# Altium PCB PiMX8MPIODB_r0.1.PcbDoc (part 2 of 3) (continued)
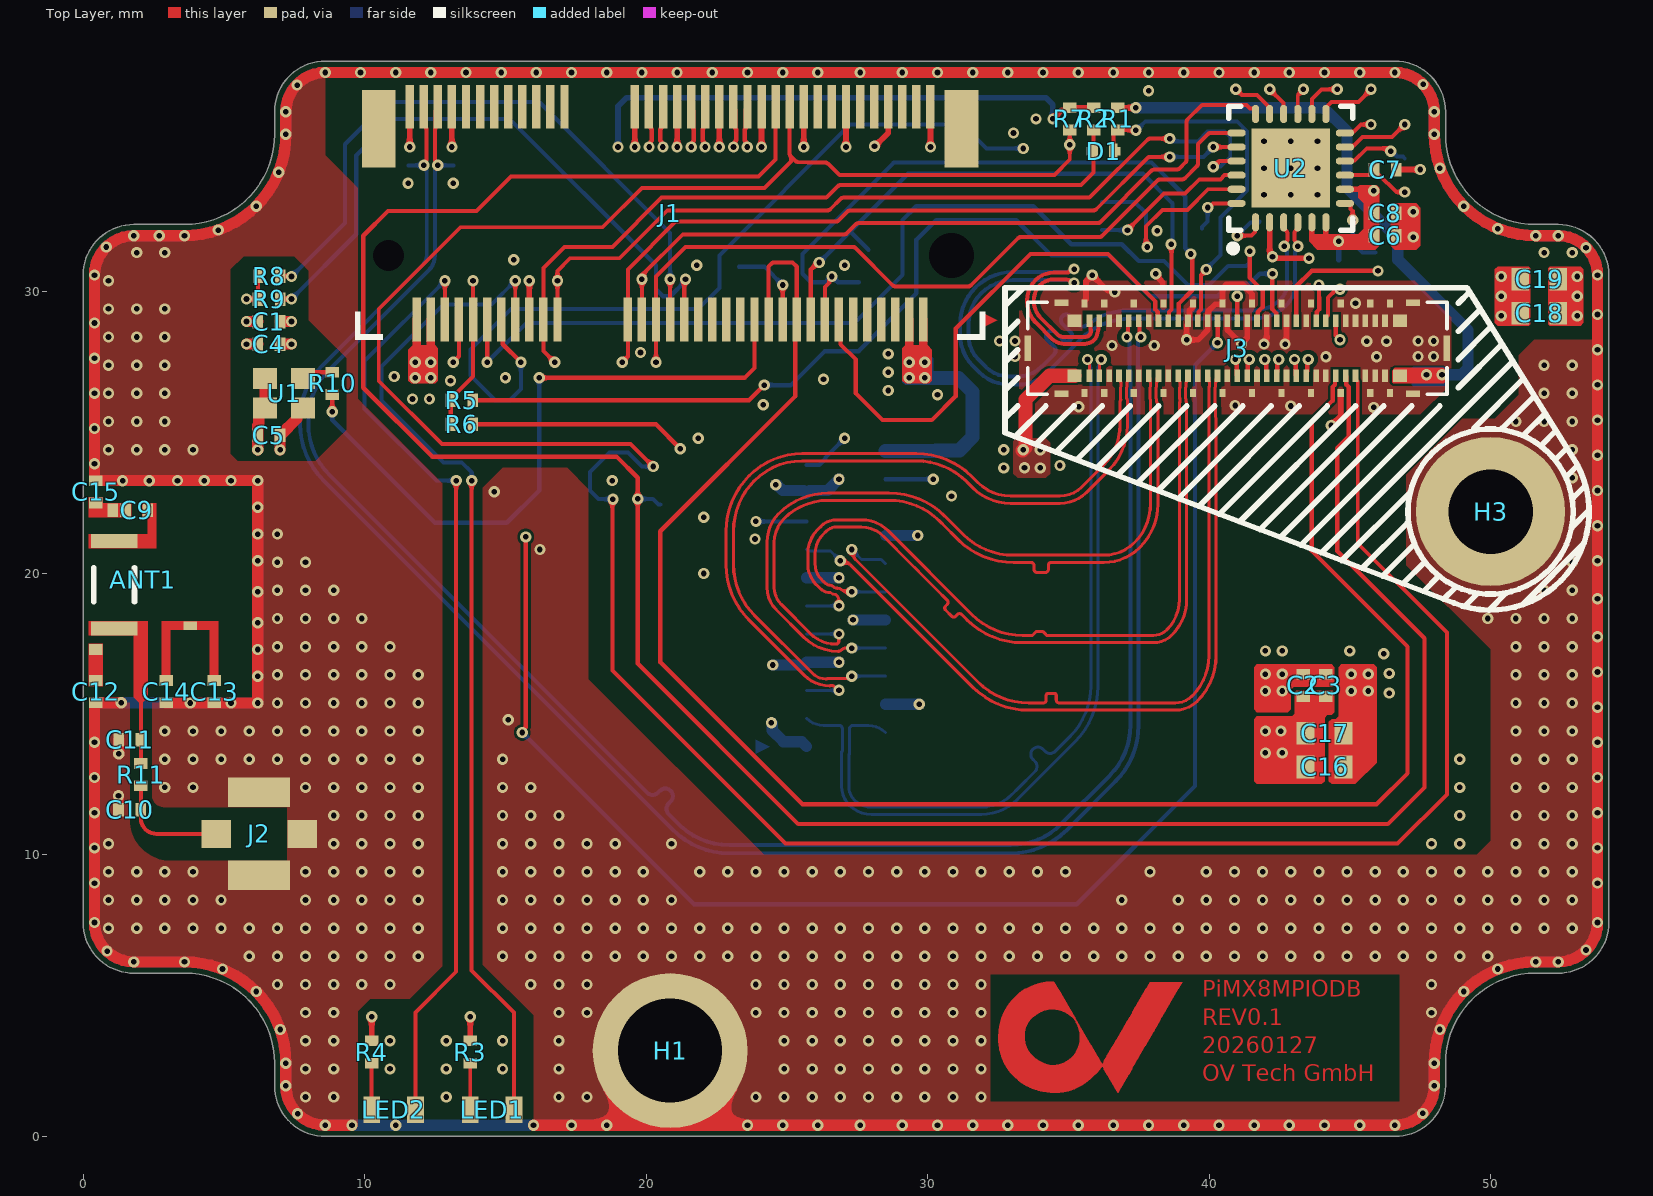
[diagram p0: Top Layer view]
## Nets (pads, with @x,y where several pads share a name; then routed paths per layer and width w, separated by ;. In a path a pad name is that pad's centre, name@x,y a point inside that pad or via, vN(x,y) a via of type N, cw(c..) or ccw(c..) an arc to the next point about the centre after c; other vN are vias at no path point) (continued)
PCM_MCLK: J1.8 J3.27 TP1.TP | length 60.9
  Top Layer w0.156: v2(13.15,27.5) 13.15,27.513 13.35,27.713 J1.8@13.35,29.025 ; v2(15.6,14.35) 15.6,14.416 15.725,14.541 v2(15.725,21.3) ; v2(40.3,28.2) J3.27@40.3,28.975
  L3 SIG w0.142: v2(13.15,27.5) 15.7,24.95 15.7,21.35 v2@15.75,21.3
  Bottom Layer w0.156: v2(15.6,14.35) 21.7,8.25 35.3,8.25 39.5,12.45 39.5,27.4 v2(40.3,28.2)
PCM_RX_IN: J1.14 J3.31 TP4.TP | length 43.6
  Top Layer w0.156: J1.14@14.85,29.025 14.909,28.966 14.909,28.141 v2(15.55,27.5) ; J3.31@41,28.975 v2(41,29.85)
  L3 SIG w0.142: v2(33.4,35.1) 33.4,30.7 34.75,29.35 40.5,29.35 v2(41,29.85)
  Bottom Layer w0.142: v2(15.55,27.5) 15.55,26.55 15.15,26.15 14.65,26.15 13.759,27.041 13.759,27.959 15.2,29.4 21.85,29.4 22.6,30.15 22.6,31.3 27.25,35.95 31.25,35.95 32.1,35.1 v2(33.4,35.1)
PCM_RX_SYNC: J3.43 R6.1 | length 52.2
  Top Layer w0.156: R6.1@13.845,25.3 20.35,25.3 v2(21.215,24.435) ; J3.43@43.1,28.975 43.1,30.2 43.65,30.75 v2(46,30.75)
  L3 SIG w0.142: v2@21.229,24.471 23,22.7 23,21.15 24.074,20.076 25.026,20.076 25.072,20.122 26.75,21.8 27.45,21.8 28.45,20.8 28.45,20.05 30.65,17.85 39.25,17.85 46.4,25 46.4,26 47.029,26.629 47.029,28.424 47.05,28.445 47.05,29.7 v2(46,30.75)
PCM_TX_OUT: J1.12 J3.35 TP3.TP | length 36.7
  Top Layer w0.156: v2(14.35,27.5) J1.12@14.35,29.025 ; v2(41.45,31.45) 41.45,30.5 41.9,30.05 41.9,29.463 41.722,29.285 41.722,28.997 J3.35@41.7,28.975
  Bottom Layer w0.156: v2(14.35,27.5) 15.75,28.9 23.7,28.9 27.4,28.9 29.108,30.608 29.108,32.558 29.6,33.05 33.75,33.05 35.1,31.7 36.9,31.7 37.499,31.101 38.399,31.101 39.25,30.25 40,30.25 40.673,30.923 41.323,30.923 41.45,31.05 v2(41.45,31.45)
PCM_TX_SYNC: J3.39 R5.1 | length 35.4
  Top Layer w0.156: R5.1@13.845,26.15 23.654,26.15 v2(24.197,26.693) ; v2(42.25,30.65) 42.25,29.383 42.378,29.254 42.378,28.997 J3.39@42.4,28.975
  Bottom Layer w0.156: v2(24.197,26.693) 25.143,26.693 26.35,27.9 27.55,27.9 29.6,29.95 29.6,31.85 30.3,32.55 33.15,32.55 34.4,31.3 36.45,31.3 37.9,29.85 40.3,29.85 40.75,30.3 41.45,30.3 41.8,30.65 v2(42.25,30.65)
UART_nWAKE: D1.2 J3.23 R1.1 | length 13.2
  Top Layer w0.14: D1.2@36.6,35 36.6,35.635 36.715,35.75 v2(37.4,35.75) ; J3.23@39.6,28.975 39.621,28.996 39.621,29.296 39.705,29.38 39.705,30.588 39.9,30.783 v2(39.9,30.8)
  Bottom Layer w0.14: v2(37.4,35.75) 37.432,35.75 37.732,36.05 41,36.05 41.35,35.7 41.35,33.6 40.4,32.65 40.4,31.314 39.9,30.814 v2(39.9,30.8)
USB_FPC1_N: J1.5 J3.9 TP5.TP | length 67
  Top Layer w0.141: v2@12.545,34.38 ccw(c12.426,34.5) v2(12.595,34.5) ccw(c12.426,34.5) v2@12.545,34.62 ; v2@12.545,34.62 cw(c12.665,34.74) 12.495,34.74 12.495,35.77 cw(c12.538,35.77) 12.508,35.8 ccw(c12.478,35.831) 12.52,35.831 12.52,36.383 cw(c12.792,36.383) J1.5@12.6,36.575 ; v2(37.08,28.4) ccw(c36.982,28.498) 37.12,28.498 37.12,28.904 cw(c37.221,28.904) J3.9@37.15,28.975
  Bottom Layer w0.14: TP5.TP@13.15,34.5 v2(12.595,34.5) cw(c12.425,34.5) 12.545,34.38 ccw(c12.667,34.259) 12.495,34.259 12.495,31.3 cw(c11.734,31.3) 12.272,30.762 8.7,27.19 ccw(c10.39,25.5) 8,25.5 8,25.302 ccw(c10.54,25.302) 8.744,23.506 19.189,13.061 19.239,13.011 20.038,12.212 ccw(c20.229,12.403) 20.42,12.212 20.488,12.281 cw(c20.679,12.09) 20.87,12.281 cw(c20.679,12.09) 20.87,11.899 20.801,11.83 ccw(c20.992,11.639) 20.801,11.449 21.156,11.094 21.184,11.067 ccw(c22.952,12.89) 21.234,11.019 ccw(c22.952,12.89) 22.952,10.35 32.948,10.35 ccw(c32.948,12.89) 34.744,11.094 36.461,12.811 ccw(c34.665,14.607) 37.205,14.607 37.205,16.306
  Bottom Layer w0.141: v2(37.08,28.4) 37.08,28.33 37.179,28.23 37.179,27.202 37.204,27.177 37.204,16.307
USB_FPC1_P: J1.3 J3.11 TP6.TP | length 67.1
  Top Layer w0.141: J1.3@12.1,36.575 cw(c11.908,36.383) 12.179,36.383 12.179,35.831 ccw(c12.222,35.831) 12.192,35.8 cw(c12.162,35.77) 12.204,35.77 12.204,34.74 cw(c12.035,34.74) v2@12.155,34.62 ; v2@12.155,34.38 cw(c12.274,34.5) v2(12.105,34.5) cw(c12.274,34.5) v2@12.155,34.62 ; J3.11@37.5,28.975 cw(c37.429,28.904) 37.529,28.904 37.529,28.498 ccw(c37.668,28.498) v2(37.57,28.4)
  Bottom Layer w0.14: TP6.TP@11.55,34.5 v2(12.105,34.5) ccw(c12.275,34.5) 12.155,34.38 cw(c12.033,34.259) 12.205,34.259 12.205,31.3 cw(c11.734,31.3) 12.067,30.967 8.495,27.395 ccw(c10.39,25.5) 7.71,25.5 7.71,25.302 ccw(c10.54,25.302) 8.539,23.301 20.951,10.889 ccw(c22.952,12.89) 22.952,10.06 32.948,10.06 ccw(c32.948,12.89) 34.949,10.889 36.666,12.606 ccw(c34.665,14.607) 37.495,14.607 37.495,16.306
  Bottom Layer w0.141: 37.495,16.307 37.495,27.298 37.47,27.323 37.47,28.23 37.57,28.33 v2(37.57,28.4)
USB_FPC2_N: J3.3 U2.4 | length 28.4
  Top Layer w0.141: v2(35.203,30.813) ccw(c35.203,30.644) 35.083,30.763 cw(c34.902,30.944) 34.902,30.688 34.707,30.688 34.705,30.691 34.481,30.691 ccw(c34.481,29.773) 33.831,30.422 33.828,30.419 ccw(c34.548,29.698) 33.53,29.698 33.53,29.673 ccw(c34.6,29.673) 33.843,28.916 34.424,28.335 ccw(c34.849,28.759) 34.849,28.159 35.585,28.159 ccw(c35.585,28.617) 35.909,28.293 35.911,28.295 ccw(c35.585,28.62) 36.045,28.62 36.045,28.629 cw(c36.088,28.629) 36.058,28.659 ccw(c36.028,28.689) 36.07,28.689 36.07,28.904 cw(c36.171,28.904) J3.3@36.1,28.975 ; U2.4@43.15,32.475 43.15,32.341 cw(c42.946,32.341) 43.09,32.198 ccw(c43.234,32.054) 43.031,32.054 43.031,31.91 ccw(c43.243,31.91) 43.093,31.76 43.106,31.747 cw(c42.986,31.628) v2(43.155,31.628)
  Bottom Layer w0.141: v2(35.203,30.813) ccw(c35.203,30.644) 35.083,30.763 cw(c34.962,30.884) 34.962,30.713 33.04,30.713 ccw(c33.04,28.81) 31.694,30.156 ccw(c32.986,28.864) 31.159,28.864 31.159,28.45 ccw(c32.657,28.45) 31.598,27.391 31.844,27.144 ccw(c32.895,28.195) 32.895,26.709 33.2,26.709 ccw(c33.2,28.207) 34.259,27.148 35.427,28.315 cw(c37.223,26.519) 37.223,29.059 41.584,29.059 ccw(c41.584,30.716) 42.756,29.544 ccw(c42.032,30.268) 43.056,30.268 43.056,31.388 cw(c43.226,31.388) 43.105,31.508 ccw(c42.986,31.628) v2(43.155,31.628)
USB_FPC2_P: J3.1 U2.3 | length 28.3
  Top Layer w0.141: 34.483,30.45 ccw(c34.483,29.767) 34.481,30.45 ; 34.594,28.506 ccw(c34.85,28.762) 34.85,28.4 35.583,28.4 ccw(c35.583,28.621) 35.74,28.465 ccw(c35.583,28.621) 35.804,28.621 35.804,28.629 ccw(c35.762,28.629) 35.792,28.659 cw(c35.822,28.689) 35.779,28.689 35.779,28.904 ccw(c35.679,28.904) J3.1@35.75,28.975 ; 34.594,28.506 34.015,29.085 cw(c34.605,29.675) 33.771,29.675 33.771,29.696 cw(c34.554,29.696) 34,30.25 cw(c34.483,29.767) 34.481,30.45 ; v2(35.203,30.323) cw(c35.203,30.492) 35.083,30.372 ccw(c34.902,30.191) 34.902,30.447 34.593,30.447 34.591,30.45 34.481,30.45 ; U2.3@42.65,32.475 42.65,32.366 ccw(c42.889,32.366) 42.72,32.198 cw(c42.551,32.029) 42.79,32.029 42.79,31.91 cw(c42.577,31.91) 42.728,31.76 42.715,31.747 ccw(c42.834,31.628) v2(42.665,31.628)
  Bottom Layer w0.141: v2(35.203,30.323) cw(c35.203,30.492) 35.083,30.372 ccw(c34.962,30.252) 34.962,30.422 33.04,30.422 ccw(c33.04,28.81) 31.9,29.95 ccw(c32.986,28.864) 31.45,28.864 31.45,28.45 ccw(c32.657,28.45) 31.804,27.596 32.05,27.35 ccw(c32.895,28.195) 32.895,27 33.2,27 ccw(c33.2,28.207) 34.043,27.343 ccw(c33.2,28.207) 34.054,27.354 34.093,27.393 34.487,27.787 ccw(c34.349,27.925) 34.487,28.063 34.264,28.286 cw(c34.402,28.425) 34.264,28.563 cw(c34.402,28.425) 34.541,28.563 34.799,28.305 ccw(c34.937,28.443) 35.075,28.305 ccw(c34.937,28.443) 35.075,28.581 34.791,28.866 cw(c34.929,29.004) 34.791,29.142 cw(c34.929,29.004) 35.067,29.142 35.379,28.83 ccw(c35.517,28.968) 35.626,28.806 36.072,29.105 cw(c37.223,26.519) 36.141,29.135 cw(c37.223,26.519) 37.223,29.35 41.584,29.35 ccw(c41.584,30.716) 42.55,29.75 ccw(c42.032,30.268) 42.765,30.268 42.765,31.388 ccw(c42.595,31.388) 42.715,31.508 cw(c42.834,31.628) v2(42.665,31.628)
VCC1.8: C16.1 C17.1 J3.P4 R1.2 R8.1 R9.1 | length 86.6
  Top Layer w0.15: v2(5.8,29.75) 6.095,29.75 R9.1@6.21,29.75 6.215,29.75 R8.1@6.215,30.566
  Top Layer w0.2: R1.2@36.75,36.545 v2(37.395,36.545)
  L3 SIG w0.4: v2(5.8,29.75) 5.8,30.384 cw(c6.2,30.384) 5.917,30.667 6.65,31.4 8.75,31.4 9.7,30.45 9.7,25.1 20.65,14.15 33.4,14.15 35.6,16.35 40.05,16.35 42,18.3 45.45,18.3 ; v2(45.05,16.425) 45.525,16.9 45.525,23.375 48.275,26.125 v2(48.275,27.06) v2(47.725,27.06)
  Bottom Layer w0.4: v2(37.395,36.545) 44.071,36.545 44.9,35.716 44.9,33.7 46.7,31.9 46.7,31.15 49.2,28.65 49.2,27.294 48.966,27.06 v2(48.275,27.06) 47.975,27.06
  other v2: 45.05,15.825 45.65,15.825 45.65,16.425
VCC3.3: C1.1 C2.1 C3.1 C4.1 C5.1 C6.1 C8.1 C18.1 C19.1 C20.1 J1.2 J1.4 J1.72 J1.74 J3.P2 J4.22 R2.2 R3.2 R4.2 R7.2 TP17.TP U1.1 U1.4 U2.5 U2.6 U2.8 | length 189.2
  Top Layer w0.2: R4.2@10.25,3.395 v2(10.25,4.25) ; R3.2@13.75,3.395 v2(13.75,4.25) ; v2(34.45,36.15) 34.755,36.455 34.96,36.455 R7.2@35.05,36.545 R2.2@35.9,36.545 ; 43.65,31.95 U2.5@43.65,32.475 ; 44.15,31.95 U2.6@44.15,32.475 ; U2.8@44.825,33.65 45.35,33.65
  Top Layer w0.3: 11.85,27.85 J1.2@11.85,29.025 ; 12.35,27.85 J1.4@12.35,29.025 ; 29.35,27.85 J1.72@29.35,29.025 ; 29.85,27.85 J1.74@29.85,29.025
  Top Layer w0.4: v2(6.205,24.4) C5.1@6.205,24.905 6.205,25.255 6.234,25.284 6.234,25.705 6.409,25.88 U1.1@6.459,25.88 U1.4@6.459,26.93 ; C4.1@6.995,28.15 v2(7.4,28.15) ; C1.1@6.995,28.95 v2(7.4,28.95)
  Top Layer w0.5: v2@33.371,24.371 33.475,24.475 33.475,26.175 34.325,27.025 J3.P2@35.225,27.025
  L3 SIG w0.2: v2(10.25,4.25) 13.658,4.25 13.712,4.304 13.712,15.612 14.95,16.85 ; 17.2,28.75 19,30.55 v2(19,35.15)
  L3 SIG w0.4: v2(6.205,24.4) 6.205,25.253 ; v2(7.4,28.15) 7.4,27.3 6.205,26.105 ; 11.8,28.75 17.2,28.75 17.95,28 17.95,26.95 19.5,25.4 24.6,25.4 25.1,25.9 29.016,25.9 ; 11.8,30.65 11.8,31.694 10.956,32.537 8.626,32.537 8.613,32.525 6.283,32.525 4.675,30.917 4.675,28.075 6.205,26.545 6.205,26.105 ; v2(29.35,26.95) 29.35,26.234 29.016,25.9 ; v2(33.4,24.4) 33.225,24.575 33.225,24.617 32.842,25 29.916,25 29.016,25.9 ; v2(42,16.425) 42,15.85 38.75,12.6 19.2,12.6 14.95,16.85 8.25,23.55 8.25,24.7 7.697,25.253 6.205,25.253 ; 6.205,25.253 6.205,26.105
  L3 SIG w0.5: v2(11.8,27.5) 11.8,28.75 11.8,30.65 ; v2(42.6,15.825) 44.025,14.4 47.7,14.4 48.15,14.85 48.15,17.55 46.8,18.9 46.8,23.6 50.375,27.175 v2(50.375,29.15) v2(50.375,29.85) v2(50.375,30.55) 47.55,30.55 45.85,32.25 ; v2(44.6,31.8) 45.4,31.8 45.85,32.25 ; v2(45.85,33.6) 45.85,32.25
  Bottom Layer w0.2: v2(19,35.15) 19,36.6 19.3,36.9 34.2,36.9 34.45,36.65 v2(34.45,36.15) ; TP17.TP@44.6,31.15 v2(44.6,31.8)
  Bottom Layer w0.5: J4.22@28.5,24.35 C20.1@30.275,24.35 ; v2(29.9,26.95) 31.1,26.95 31.6,26.45 31.6,24.85 31.125,24.375 C20.1@30.3,24.375
  other v2: 42,15.825 42.6,16.425 33.443,23.76 34,23.75 34,24.4 11.8,26.95 12.35,26.95 12.35,27.5 29.35,27.5 29.9,27.5
pads on no net: J1.9 J1.11 J1.13 J1.15 J1.17 J1.19 J1.21 J1.23 J1.42 J1.44 J1.46 J1.48 J1.59 J1.61 J1.64 J1.65 J1.66 J1.67 J1.68 J1.70 J1.71 J1.73 J1.MT J4.18 J4.MT

## Polygon pours and split planes (outlines as drawn)
GND on Top Layer "NONET_L-01_P-001" (solid, remove dead copper, pour order 14): 48.6,29.1 47.3,30.4 33.65,30.4 33.25,30 33.25,26.15 33.75,25.65 47.5,25.65 48.6,26.75
GND on Top Layer "NONET_L-01_P-001" (solid, remove dead copper, pour order 5): 9.75,4.45 10.2,4.9 11.6,4.9 12.75,6.05 12.75,23.2 9.75,26.2 9.75,33.7 8.6,34.85 8.6,37.8 ccw(c8.6,36.4) 7.2,36.4 7.2,35.6 cw(c3.6,35.6) 3.6,32 2,32 ccw(c2,30.35) 0.35,30.35 0.35,23.35 ccw(c0.4,23.35) 0.4,23.3 6.2,23.3 6.2,15.4 0.4,15.4 0.4,7.6 ccw(c1.8,7.6) 1.8,6.2 3.55,6.2 cw(c3.55,2.55) 7.2,2.55 7.2,1.8 ccw(c8.6,1.8) 8.6,0.4 9.65,0.4 ccw(c9.65,0.5) 9.75,0.5
GND on Top Layer "NONET_L-01_P-001" (solid, remove dead copper, pour order 6): 16,0.4 16,4.3 14.2,6.1 14.2,23.05 14.9,23.75 17.2,23.75 17.95,23 17.95,16.25 24.2,10 49.5,10 50,10.5 50,17.3 47,20.3 47,23.5 49,25.5 50.15,25.5 51,26.35 51,27.75 51.55,28.3 53.8,28.3 53.8,7.6 cw(c52.4,7.6) 52.4,6.2 51.8,6.2 ccw(c51.8,2.4) 48,2.4 48,1.8 cw(c46.6,1.8) 46.6,0.4
VCC3.3 on Top Layer "NONET_L04_P-001" (solid, pour order 9): 33.15,24.8 34.2,24.8 34.35,24.65 34.35,23.55 34.2,23.4 33.2,23.4 33.05,23.55 33.05,24.7
GND on GND (Mid2) "NONET_L-01_P-001" (solid, remove dead copper, pour order 2): 8.6,0.4 46.6,0.4 ccw(c46.6,1.8) 48,1.8 48,2.6 cw(c51.6,2.6) 51.6,6.2 52.4,6.2 ccw(c52.4,7.6) 53.8,7.6 53.8,30.6 ccw(c52.4,30.6) 52.4,32 51.7,32 cw(c51.7,35.7) 48,35.7 48,36.4 ccw(c46.6,36.4) 46.6,37.8 8.6,37.8 ccw(c8.6,36.4) 7.2,36.4 7.2,35.65 cw(c3.5,35.65) 3.5,31.95 1.75,31.95 ccw(c1.75,30.6) 0.4,30.6 0.4,23.3 6.2,23.3 6.2,15.405 0.45,15.405 0.45,7.6 0.4,7.6 ccw(c1.8,7.6) 1.8,6.2 3.5,6.2 cw(c3.5,2.5) 7.2,2.5 7.2,1.8 ccw(c8.6,1.8)
GND on GND (Mid2) "NONET_L-01_P-001" (solid, remove dead copper, pour order 20): 8.6,0.4 46.6,0.4 ccw(c46.6,1.8) 48,1.8 48,2.7 cw(c51.5,2.7) 51.5,6.2 52.4,6.2 ccw(c52.4,7.6) 53.8,7.6 53.8,30.6 ccw(c52.4,30.6) 52.4,32 51.6,32 cw(c51.6,35.6) 48,35.6 48,36.4 ccw(c46.6,36.4) 46.6,37.8 8.6,37.8 ccw(c8.6,36.4) 7.2,36.4 7.2,35.6 cw(c3.6,35.6) 3.6,32 1.8,32 ccw(c1.8,30.6) 0.4,30.6 0.4,23.3 6.2,23.3 6.2,15.4 0.4,15.4 0.4,7.6 ccw(c1.8,7.6) 1.8,6.2 3.65,6.2 cw(c3.65,2.65) 7.2,2.65 7.2,1.8 ccw(c8.6,1.8)
GND on GND (Mid2) "NONET_L-01_P-001" (solid, remove dead copper, pour order 1): 16.25,23.45 18.7,21 29.4,21 30.75,22.35 30.75,24 30.85,24.1 35,24.1 35.2,23.9 35.2,14.1 35.55,13.75 45.35,13.75 45.75,14.15 45.75,27.3 45.75,30.4 42.95,33.2 36.638,33.2 29.988,26.55 29.05,26.55 26.6,29 26.6,35.25 24.55,37.3 18,37.3 14.05,33.35 14.05,25.65
GND on Bottom Layer "NONET_L-01_P-001" (solid, remove dead copper, pour order 18): 0.408,15.442 0.408,7.642 ccw(c1.808,7.642) 1.808,6.242 4.668,6.242 cw(c4.668,3.702) 7.208,3.702 7.208,1.842 ccw(c8.608,1.842) 8.608,0.442 46.608,0.442 ccw(c46.608,1.842) 48.008,1.842 48.008,3.702 cw(c50.548,3.702) 50.548,6.242 52.408,6.242 ccw(c52.408,7.642) 53.808,7.642 53.808,30.642 ccw(c52.408,30.642) 52.408,32.042 50.548,32.042 cw(c50.548,34.581) 48.008,34.582 48.008,36.442 ccw(c46.608,36.442) 46.608,37.842 44.1,37.842 44.1,36.85 45.518,33.082 49.65,28.95 49.65,26.142 41.808,26.142 40.95,25.283 40.95,11.25 37.342,7.642 20.036,7.6 7.208,20.611 7.208,31.492 8.958,33.242 8.958,38.042 8.808,38.042 ccw(c8.808,36.442) 7.208,36.442 7.208,34.582 cw(c4.669,34.581) 4.668,32.042 1.808,32.042 ccw(c1.808,30.642) 0.408,30.642 0.408,23.342 6.208,23.342 6.208,15.442
GND on Bottom Layer "NONET_L04_P-001" (solid, pour order 15): 28.9,28.15 28.4,28.15 28.3,28.1 28.3,26.25 28.45,26.1 29.1,26.1 29.85,25.35 30.55,25.35 30.85,25.35 31,25.45 31,26.3 30.686,26.614 29.171,26.614 28.986,26.8 29,28.1
GND on L2 GND "NONET_L-01_P-001" (solid, remove dead copper, pour order 3): 8.6,0.4 46.6,0.4 ccw(c46.6,1.8) 48,1.8 48,2.7 cw(c51.5,2.7) 51.5,6.2 52.4,6.2 ccw(c52.4,7.6) 53.8,7.6 53.8,30.6 ccw(c52.4,30.6) 52.4,32 51.6,32 cw(c51.6,35.6) 48,35.6 48,36.4 ccw(c46.6,36.4) 46.6,37.8 8.6,37.8 ccw(c8.6,36.4) 7.2,36.4 7.2,35.6 cw(c3.6,35.6) 3.6,32 1.8,32 ccw(c1.8,30.6) 0.4,30.6 0.4,23.3 6.2,23.3 6.2,15.4 0.4,15.4 0.4,7.6 ccw(c1.8,7.6) 1.8,6.2 3.65,6.2 cw(c3.65,2.65) 7.2,2.65 7.2,1.8 ccw(c8.6,1.8)
GND on L3 SIG "NONET_L-01_P-001" (solid, remove dead copper, pour order 16): 8.45,0.4 46.45,0.4 ccw(c46.45,1.8) 47.85,1.8 47.85,2.7 cw(c51.35,2.7) 51.35,6.2 52.25,6.2 ccw(c52.25,7.6) 53.65,7.6 53.65,30.6 ccw(c52.25,30.6) 52.25,32 51.45,32 cw(c51.45,35.6) 47.85,35.6 47.85,36.4 ccw(c46.45,36.4) 46.45,37.8 8.45,37.8 ccw(c8.45,36.4) 7.05,36.4 7.05,35.6 cw(c3.45,35.6) 3.45,32 1.65,32 ccw(c1.65,30.6) 0.25,30.6 0.25,23.3 6.05,23.3 6.05,15.4 0.25,15.4 0.25,7.6 ccw(c1.65,7.6) 1.65,6.2 3.5,6.2 cw(c3.5,2.65) 7.05,2.65 7.05,1.8 ccw(c8.45,1.8)
GND on GND "NONET_L-01_P-001" (solid, remove dead copper, pour order 19): 8.6,0.4 46.6,0.4 ccw(c46.6,1.8) 48,1.8 48,2.7 cw(c51.5,2.7) 51.5,6.2 52.4,6.2 ccw(c52.4,7.6) 53.8,7.6 53.8,30.6 ccw(c52.4,30.6) 52.4,32 51.6,32 cw(c51.6,35.6) 48,35.6 48,36.4 ccw(c46.6,36.4) 46.6,37.8 8.6,37.8 ccw(c8.6,36.4) 7.2,36.4 7.2,35.6 cw(c3.6,35.6) 3.6,32 1.8,32 ccw(c1.8,30.6) 0.4,30.6 0.4,23.3 6.2,23.3 6.2,15.4 0.4,15.4 0.4,7.6 ccw(c1.8,7.6) 1.8,6.2 3.65,6.2 cw(c3.65,2.65) 7.2,2.65 7.2,1.8 ccw(c8.6,1.8)

## Other copper
Top Layer:
  pour cut-out: 5.25,11.7 2.85,11.7 cw(c2.85,12.1) 2.45,12.1 2.45,15.5 1.65,15.5 1.65,11.25 ccw(c3.1,11.25) 3.1,9.8 5.25,9.8
  region net VCC1.8: 48.314,27.3 46.6,27.3 46.5,27.2 46.5,26.8 46.55,26.75 48.337,26.75 48.5,26.913 48.5,27.114
  region net VCC1.8: 44.25,12.625 44.25,14.725 44.35,14.825 44.5,14.825 44.6,14.925 44.6,16.675 44.7,16.775 45.85,16.775 45.95,16.675 45.95,13.275 45.2,12.525 44.35,12.525
  region net GND: 41.7,14.925 42.95,14.925 43.05,15.025 43.05,15.775 43.1,15.825 44.4,15.825 44.45,15.775 44.45,15.075 44.35,14.975 44.2,14.975 44.1,14.875 44.1,12.625 44,12.525 41.7,12.525 41.6,12.625 41.6,14.825
  region net VCC3.3: 41.7,15.075 42.8,15.075 42.9,15.175 42.9,15.875 43,15.975 44.4,15.975 44.45,16.025 44.45,16.675 44.35,16.775 41.7,16.775 41.6,16.675 41.6,15.175
  region net VCC3.3: 43.55,32 43.55,31.8 43.85,31.5 45.9,31.5 46.05,31.65 46.05,33.7 45.95,33.8 45.35,33.8 45.3,33.75 45.3,33.35 45.5,33.15 45.5,32.25 45.3,32.05 43.6,32.05
  region net VCC3.3: 50.25,30.9 51.35,30.9 51.4,30.85 51.4,28.85 51.35,28.8 50.25,28.8 50.15,28.9 50.15,30.8
  region net VCC3.3: 11.55,27.95 11.7,28.1 12.5,28.1 12.6,28 12.6,26.85 12.5,26.75 11.65,26.75 11.55,26.85
  region net VCC3.3: 30.15,27.95 30,28.1 29.2,28.1 29.1,28 29.1,26.85 29.2,26.75 30.05,26.75 30.15,26.85
  region net GND: 53.2,30.9 52.1,30.9 52.05,30.85 52.05,28.85 52.1,28.8 53.2,28.8 53.3,28.9 53.3,30.8
  region net GND: 46.45,31.65 46.6,31.5 47.35,31.5 47.5,31.65 47.5,33 47.35,33.15 46.55,33.15 46.45,33.05
  pour cut-out: 32.25,1.25 32.25,5.75 46.75,5.75 46.75,1.25
  pour cut-out: 7.5,31.25 8,30.75 8,29 9.35,27.65 9.35,25.1 8.25,24 5.5,24 5.25,24.25 5.25,30.8 5.7,31.25
  region: 1432 vertices and 1 holes, not listed, extent 32.512,1.555 39.041,5.5
  region net ANT_FEED: 1.8,15.6 2.05,15.35 2.3,15.6 2.3,16 1.8,16
  text "PiMX8MPIODB" at 39.75,4.762 h1
  text "REV0.1" at 39.75,3.761 h1
  text "20260127" at 39.75,2.761 h1
  text "OV Tech GmbH" at 39.75,1.761 h1
  text ".Layer_Name" at -9.372,-92.908 h2.5
L2 GND:
  text "'.Layer_Name'" at -5.831,-93.315 h2.5
GND (Mid2):
  text "'.Layer_Name'" at -2.082,-93.315 h2.5
L3 SIG:
  region net VCC3.3: 41.795,16.763 41.695,16.663 41.695,15.613 41.845,15.463 42.895,15.463 42.995,15.563 42.995,16.663 42.895,16.763
  region net VCC1.8: 44.85,16.75 44.75,16.65 44.75,15.6 44.9,15.45 45.95,15.45 46.05,15.55 46.05,16.65 45.95,16.75
  region net VCC3.3: 29.05,27.9 28.95,27.8 28.95,26.75 29.1,26.6 30.15,26.6 30.25,26.7 30.25,27.8 30.15,27.9
  region net VCC3.3: 33.137,24.679 33.037,24.579 33.037,23.529 33.187,23.379 34.237,23.379 34.337,23.479 34.337,24.579 34.237,24.679
  region net VCC3.3: 11.487,27.879 11.387,27.779 11.387,26.729 11.537,26.579 12.587,26.579 12.687,26.679 12.687,27.779 12.587,27.879
  pour cut-out: 3.6,32 4.757,32.191 6.15,33.05 6.95,34.25 7.2,35.6 7.2,36.4 7.61,37.39 8.6,37.8 9.85,37.8 10.9,37.8 46.6,37.8 47.577,37.39 48,36.4 47.95,35.6 48.2,34.4 49.05,33.05 50.25,32.25 51.6,32 51.45,29.55 51.45,26.35 50.4,26.35 47.35,23.3 47.35,19.95 48.9,18.4 48.75,18.25 48.75,14.05 45.9,11.2 18.3,11.2 6.8,22.7 6.8,23.65 5.85,23.65 3.9,25.6 3.9,30.8
  region net VCC3.3: 7.025,27.6 7.125,27.5 7.625,27.5 7.725,27.6 7.735,29.4 7.685,29.45 7.085,29.45 7.035,29.4
  region net VCC3.3: 50.05,29.05 50.15,28.95 50.65,28.95 50.75,29.05 50.76,30.85 50.71,30.9 50.11,30.9 50.06,30.85
Bottom Layer:
  region net VCC1.8: 47.25,27.35 47.2,27.3 47.2,26.7 47.25,26.65 48.35,26.65 48.4,26.7 48.4,27.3 48.35,27.35
  region net VCC3.3: 29.2,27.75 29.1,27.65 29.1,26.8 29.2,26.7 30.1,26.7 30.2,26.8 30.2,27.65 30.1,27.75
  text "'.Layer_Name'" at -12.704,-92.908 h2.5

## Silkscreen, mask and mechanical layers (free items; w line width, h text height)
Top Overlay:
  circle w0.2: c50,22.2 r2.935
  lines w0.2: 32.75,26.5 33.2,26.95 ; 32.75,27.5 33.2,27.95 ; 32.75,28.5 33.2,28.95 ; 32.75,29.5 33.4,30.15 ; 33.113,24.863 34.2,25.95 ; 33.2,25.95 32.75,25.5 ; 33.838,24.587 35.2,25.95 ; 34.563,24.312 36.2,25.95 ; 35.288,24.038 37.2,25.95 ; 36.013,23.763 38.2,25.95 ; 36.738,23.487 39.2,25.95 ; 37.463,23.212 40.2,25.95 ; 38.188,22.937 41.2,25.95 ; 38.913,22.662 42.2,25.95 ; 39.638,22.387 43.2,25.95 ; 40.363,22.112 44.2,25.95 ; 41.088,21.837 45.2,25.95 ; 41.813,21.562 46.2,25.95 ; 42.538,21.287 47.2,25.95 ; 43.263,21.012 48.2,25.95 ; 43.988,20.737 50.787,27.537 ; 44.713,20.462 47.15,22.9 ; 45.438,20.187 47.05,21.8 ; 46.163,19.912 47.3,21.05 ; 46.888,19.637 47.65,20.4 ; 47.613,19.362 48.15,19.9 ; 48.338,19.087 48.75,19.5 ; 48.85,26.6 50.403,28.153 ; 48.85,27.6 50.019,28.769 ; 48.85,28.6 49.634,29.384 ; 48.85,29.6 49.25,30 ; 49.074,18.824 49.55,19.3 ; 49.4,25.15 51.171,26.921 ; 49.95,18.7 50.55,19.3 ; 50.4,25.15 51.555,26.305 ; 51.141,18.891 53.309,21.059 ; 51.2,24.95 51.94,25.69 ; 51.8,24.55 52.324,25.074 ; 52.3,24.05 52.708,24.458 ; 52.7,23.45 53.092,23.842 ; 52.9,21.65 53.5,22.25 ; 52.95,22.7 53.376,23.126 ; 32.75,25.5 32.75,25 48.7,18.95 ccw(c50,22.2) 53.084,23.856 49.157,30.15 32.75,30.15 32.75,25.5
  text "'.Layer_Name'" at -11.871,-92.908 h2.5
Bottom Overlay:
  text "'.Layer_Name'" at -15.203,-92.908 h2.5
Top Paste:
  text "'.Layer_Name'" at -9.372,-92.908 h2.5
Bottom Paste:
  text "'.Layer_Name'" at -12.704,-93.325 h2.5
Top Solder:
  the board outline again, w0.05
  text "PiMX8MPIODB" at 39.75,4.762 h1
  text "REV0.1" at 39.75,3.761 h1
  text "20260127" at 39.75,2.761 h1
  text "OV Tech GmbH" at 39.75,1.761 h1
  text "'.Layer_Name'" at -10.413,-92.908 h2.5
Bottom Solder:
  the board outline again, w0.05
  text "'.Layer_Name'" at -13.745,-93.325 h2.5
Drill Guide:
  text "'.Layer_Name'" at -11.246,-93.325 h2.5
Board outline:
  lines w0.01: 0,7.6 ccw(c1.8,7.6) 1.8,5.8 3.6,5.8 cw(c3.6,2.6) 6.8,2.6 6.8,1.8 ccw(c8.6,1.8) 8.6,0 46.6,0 ccw(c46.6,1.8) 48.4,1.8 48.4,2.6 cw(c51.6,2.6) 51.6,5.8 52.4,5.8 ccw(c52.4,7.6) 54.2,7.6 54.2,30.6 ccw(c52.4,30.6) 52.4,32.4 51.6,32.4 cw(c51.6,35.6) 48.4,35.6 48.4,36.4 ccw(c46.6,36.4) 46.6,38.2 8.6,38.2 ccw(c8.6,36.4) 6.8,36.4 6.8,35.6 cw(c3.6,35.6) 3.6,32.4 1.8,32.4 ccw(c1.8,30.6) 0,30.6 0,7.6
  lines w0.05: 31.75,7.502 cw(c32.748,7.502) 32.748,8.5 32.8,8.5 49.299,8.5 cw(c49.299,7.549) 50.25,7.549 50.25,7.451 cw(c49.299,7.451) 49.299,6.5 32.752,6.5 cw(c32.752,7.502) 31.75,7.502
  text "'.Layer_Name'" at -13.003,-93.1 h2.5
Drill Drawing:
  circle w0.15: c-23.774,-8.097 r0.428
  lines w0.15: -24.202,-16.225 -23.774,-16.011 -23.346,-16.225 -23.56,-15.797 -23.346,-15.369 -23.774,-15.583 -24.202,-15.369 -23.988,-15.797 -24.202,-16.225 ; -24.202,-13.444 -23.346,-13.444 -23.774,-14.3 -24.202,-13.444 ; -24.202,-12.161 -23.988,-12.161 -23.774,-12.375 -23.56,-12.161 -23.346,-12.161 -23.56,-11.947 -23.346,-11.733 -23.56,-11.733 -23.774,-11.519 -23.988,-11.733 -24.202,-11.733 -23.988,-11.947 -24.202,-12.161 ; -24.202,-10.45 -23.346,-10.45 -23.346,-9.594 -24.202,-9.594 -24.202,-10.45
  lines w0.3: -24.976,-16.803 81.101,-16.803 ; -24.976,-7.178 81.101,-7.178 ; -17.837,-18.728 -17.837,-5.253 ; -10.095,-18.728 -10.095,-5.253 ; -0.763,-18.728 -0.763,-5.253 ; 5.798,-18.728 5.798,-5.253 ; 15.285,-18.728 15.285,-5.253 ; 34.572,-18.728 34.572,-5.253 ; 42.212,-18.728 42.212,-5.253 ; 51.852,-18.728 51.852,-5.253 ; 63.032,-18.728 63.032,-5.253 ; -24.976,-18.728 81.101,-18.728 81.101,-5.253 -24.976,-5.253 -24.976,-18.728
  text "Symbol" at -23.821,-6.6 h0.92
  text "Count" at -17.259,-6.6 h0.92
  text "Hole Size" at -9.518,-6.6 h0.92
  text "Plated" at -0.185,-6.6 h0.92
  text "Hole Type" at 6.376,-6.6 h0.92
  text "Drill Layer Pair" at 15.862,-6.6 h0.92
  text "Via/Pad" at 35.15,-6.6 h0.92
  text "Pad Shape" at 42.789,-6.6 h0.92
  text "Hole Length" at 52.429,-6.6 h0.92
  text "Routed Path Length" at 63.609,-6.6 h0.92
  text "1" at -17.259,-8.525 h0.77
  text "1.100mm" at -9.518,-8.525 h0.77
  text "NPTH" at -0.185,-8.525 h0.77
  text "Round" at 6.376,-8.525 h0.77
  text "Top Layer - Bottom Layer" at 15.862,-8.525 h0.77
  text "Pad" at 35.15,-8.525 h0.77
  text "Rounded" at 42.789,-8.525 h0.77
  text "-" at 52.429,-8.525 h0.77
  text "-" at 63.609,-8.525 h0.77
  text "1" at -17.259,-10.45 h0.77
  text "1.600mm" at -9.518,-10.45 h0.77
  text "NPTH" at -0.185,-10.45 h0.77
  text "Round" at 6.376,-10.45 h0.77
  text "Top Layer - Bottom Layer" at 15.862,-10.45 h0.77
  text "Pad" at 35.15,-10.45 h0.77
  text "Rounded" at 42.789,-10.45 h0.77
  text "-" at 52.429,-10.45 h0.77
  text "-" at 63.609,-10.45 h0.77
  text "1" at -17.259,-12.375 h0.77
  text "3.000mm" at -9.518,-12.375 h0.77
  text "PTH" at -0.185,-12.375 h0.77
  text "Round" at 6.376,-12.375 h0.77
  text "Top Layer - Bottom Layer" at 15.862,-12.375 h0.77
  text "Pad" at 35.15,-12.375 h0.77
  text "Rounded" at 42.789,-12.375 h0.77
  text "-" at 52.429,-12.375 h0.77
  text "-" at 63.609,-12.375 h0.77
  text "1" at -17.259,-14.3 h0.77
  text "3.700mm" at -9.518,-14.3 h0.77
  text "PTH" at -0.185,-14.3 h0.77
  text "Round" at 6.376,-14.3 h0.77
  text "Top Layer - Bottom Layer" at 15.862,-14.3 h0.77
  text "Pad" at 35.15,-14.3 h0.77
  text "Rounded" at 42.789,-14.3 h0.77
  text "-" at 52.429,-14.3 h0.77
  text "-" at 63.609,-14.3 h0.77
  text "771" at -17.259,-16.225 h0.77
  text "0.200mm" at -9.518,-16.225 h0.77
  text "PTH" at -0.185,-16.225 h0.77
  text "Round" at 6.376,-16.225 h0.77
  text "Top Layer - Bottom Layer" at 15.862,-16.225 h0.77
  text "Via" at 35.15,-16.225 h0.77
  text "Rounded" at 42.789,-16.225 h0.77
  text "-" at 52.429,-16.225 h0.77
  text "-" at 63.609,-16.225 h0.77
  text "775 Total" at -17.259,-18.15 h0.77
Top Assembly:
  text "'.Layer_Name'" at -12.984,-92.942 h2.5
Bottom Assembly:
  text "'.Layer_Name'" at -16.317,-92.942 h2.5